# Allegro board RK_NVR_DEMO1_RK3588_LP4XD200P232SD8_V21_20211228_final_lint.brd (continued)
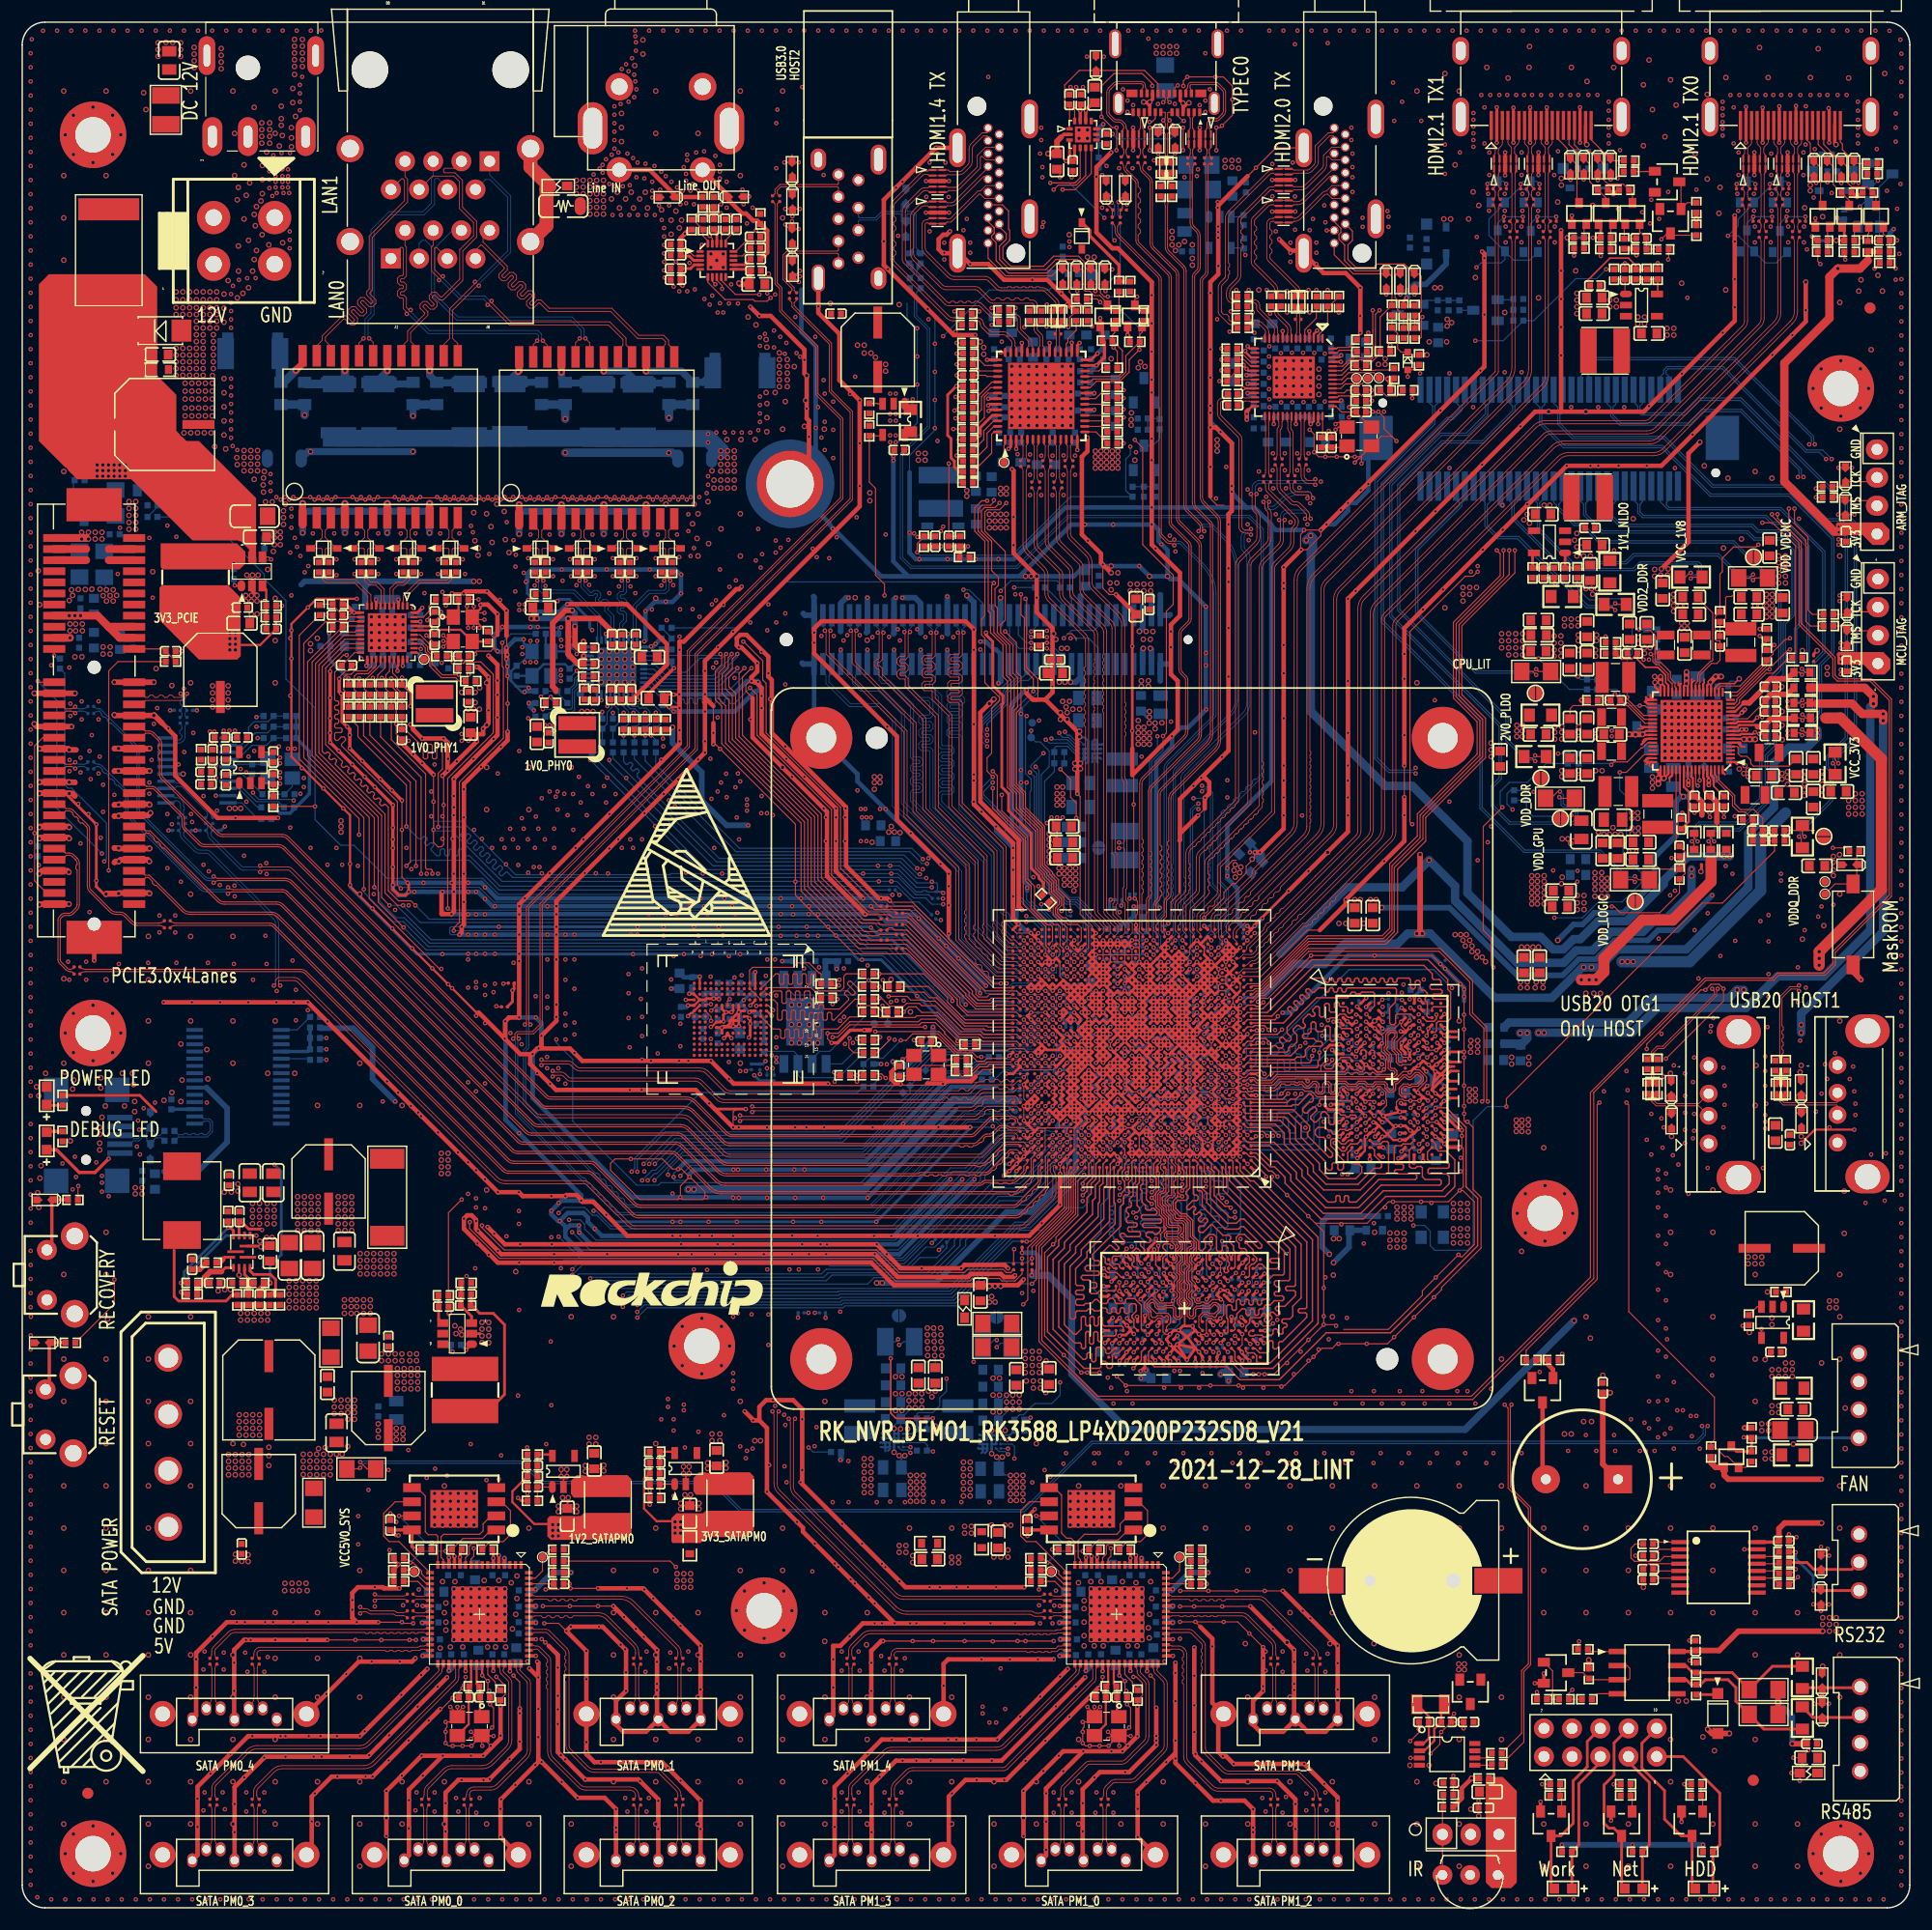
[diagram p0: board, top side]
## Routing (per net, layer and track width the routed paths; a pad name or vN(x,y) marks a point on that pad's centre or on a via; arc(x,y) is an arc through that point) (continued)
USB30_HOST2_SSTXN: length 11
  TOP w0.084: J2501.8 73.55,149.43 73.46,149.34 69.86,149.34 69.77,149.43 69.77,149.69 D2508.1 69.39,149.43 69.3,149.34 68.91,149.34 68.55,148.99 68.55,146.77 69.35,145.97 69.35,145.79 C2509.2
USB30_HOST2_SSTXP: length 10.6
  TOP w0.084: 69.39,148.41 69.77,148.79 69.77,149.04 69.87,149.14 73.46,149.14 73.55,149.05 J2501.9 ; 69.39,148.41 69.39,149.05 69.31,149.14 68.99,149.14 68.76,148.9 68.76,146.85 69.56,146.05 69.56,145.79 C2510.2 ; 69.39,148.41 D2509.1
USB_HOST_PWREN_H_GPIO4_B0: length 169.8
  TOP w0.102: v1(156.71,52.18) U2502.4 ; U1000.AK26 v1(94.8,85.26) ; v1(77.7,118.31) 77.7,119.32 76.88,120.13 76.88,127.96 76.32,128.52 R2516.1 77.44,132.69 U2501.4 ; v1(94.46,89.86) 94.46,90.26 94.41,90.31 94.41,90.82 93.38,91.85 93.38,92.66 92.83,93.21 92.83,93.35 92.13,94.06 92.13,97.47 90.4,99.2 90.4,100.53 89.58,101.34 89.58,107.74 89.99,108.15 89.99,110.99 89.58,111.4 89.58,114.04 v1(88.57,115.05)
  L4-S1 w0.102: v1(159.99,81.63) 159.79,81.42 159.79,59.48 156.71,56.4 v1(156.71,52.18)
  L6-S2 w0.089: v1(94.8,85.26) 94.66,85.4 94.66,85.57 94.46,85.77 94.46,88.96
  L6-S2 w0.102: 94.46,88.96 v1(94.46,89.86) 94.46,90.47 102.11,98.11 125.42,98.11 130.02,93.51 132.36,93.51 135.81,90.06 136.73,90.06 137.95,88.84 139.37,88.84 140.08,88.13 141.81,88.13 142.21,87.72 144.04,87.72 149.73,82.03 156.94,82.03 157.35,81.63 v1(159.99,81.63) ; v1(77.7,118.31) 78,118.61 84.1,118.61 84.91,117.8 86.23,117.8 87.25,116.78 87.25,116.37 v1(88.57,115.05)
USB_OTG_PWREN_H_GPIO4_A7: length 94.7
  TOP w0.102: U1000.AM27 94.16,87.22 94.16,88.33 93.85,88.64 93.75,88.64 92.89,89.5 92.89,90.21 93.24,90.57 93.24,90.77 92.53,91.48 92.53,92.3 91.92,92.91 91.92,93.12 91.31,93.72 91.31,97.07 89.28,99.1 89.28,100.49 88.77,101 88.77,110.58 88.36,110.99 88.36,113.83 87.25,114.95 87.25,116.68 87.04,116.88 87.04,123.18 86.13,124.1 86.13,126.08 86.49,126.43 87.25,126.43 87.55,126.74 v1(87.55,126.89)
  L4-S1 w0.102: v1(107.57,127.04) 104.32,130.29 104.32,139.13 108.07,142.89 108.07,144.52 108.89,145.33 108.89,146.04 109.24,146.4 109.95,146.4 110.21,146.65 v1(110.21,148.99)
  L6-S2 w0.102: v1(87.55,126.89) 87.55,127.96 88.03,128.44 88.9,128.44 89.41,127.93 96.31,127.93 96.7,127.55 107.06,127.55 v1(107.57,127.04)
  BOTTOM w0.102: v1(110.21,148.99) 110.08,149.12 R2510.1 110.03,149.63 U2500.4
USBCC_INT_L_GPIO1_A0: length 263.6
  TOP w0.089: 95.77,66.74 U1000.A24
  TOP w0.102: v1(157.66,125.62) 157.66,125.49 160.09,123.05 160.09,115.66 163.14,112.62 163.14,110.99 163.55,110.58 166.49,110.58 168.22,108.86 168.22,91.28 163.14,86.2 163.14,85.08 162.33,84.27 158.16,84.27 157.71,83.82 151.61,83.82 141.3,73.5 141.3,56.84 130.58,46.12 96.9,46.12 91.87,51.15 91.87,59.5 94.92,62.55 94.92,65.88 95.77,66.74 ; v1(92.63,155.49) 94.87,155.49 95.33,155.95 U2503.5
  L4-S1 w0.102: v1(97.51,152.34) 97.51,150.31 98.83,148.99 98.83,140.94 99.64,140.12 99.64,137.71 101.06,136.29 101.06,133.75 99.87,132.55 99.87,132.2 100.35,131.72 v1(100.35,131.21)
  L6-S2 w0.102: v1(100.35,131.21) 101.88,131.21 102.79,130.29 109.7,130.29 111.48,128.52 115.64,128.52 122.2,121.96 136.01,121.96 140.49,126.43 156.84,126.43 v1(157.66,125.62)
  BOTTOM w0.102: v1(92.63,155.49) 94.36,155.49 v1(97.51,152.34)
VSEL2: length 92
  TOP w0.102: v1(90.9,76.16) 91.22,75.84 U1000.R31
  L4-S1 w0.102: v1(59.61,45.36) 59.61,45.66 57.17,48.1 57.17,65.37 v1(56.97,65.57)
  L6-S2 w0.102: v1(88.82,41.39) 88.31,41.9 79.17,41.9 78.59,42.49 70,42.49 69.57,42.92 65.81,42.92 63.37,45.36 v1(59.61,45.36)
  BOTTOM w0.089: 88.47,76.04 88.97,76.04 89.39,75.62 90.17,75.62 90.71,76.16 v1(90.9,76.16)
  BOTTOM w0.102: 88.47,76.04 85.95,76.04 85.34,75.43 83.08,75.43 75.77,68.11 59.51,68.11 v1(56.97,65.57) ; U2200.A1 88.81,41.4 v1(88.82,41.39)
VSEL3: length 60.1
  TOP w0.089: 88.47,77.28 88.79,77.28 88.97,77.46 90.25,77.46 U1000.U32
  TOP w0.102: 88.47,77.28 84.3,77.28 82.6,78.99 v1(76.86,78.99)
  L4-S1 w0.102: v1(75.26,100.73) 75.26,100.47 75.16,100.37 75.16,82.14 75.97,81.32 75.97,79.8 76.78,78.99 v1(76.86,78.99)
  L6-S2 w0.102: v1(75.26,100.73) 75.26,101.34 76.78,102.86 78.86,102.86 79.88,103.88 89.58,103.88 90.8,105.1 91.41,105.1 92.23,105.91 v1(93.44,105.91)
  BOTTOM w0.102: U2202.A1 94.93,104.86 94.28,105.5 93.75,105.5 93.44,105.81 v1(93.44,105.91)
VSEL4: length 2.9
  TOP w0.102: v1(90.25,76.81) U1000.T32
  BOTTOM w0.089: v1(90.25,76.81) 90.08,76.81 89.84,76.57 89.82,76.57 89.73,76.49 88.69,76.49 88.48,76.7 88.47,76.7
  BOTTOM w0.102: R1109.1 88.47,76.7
VSEL5: length 12.3
  TOP w0.102: v1(92.2,76.81) U1000.T30
  BOTTOM w0.089: 88.47,77.39 89.41,77.39 89.58,77.21 90.96,77.21 91.03,77.14 91.68,77.14 92.01,76.81 v1(92.2,76.81)
  BOTTOM w0.102: 88.47,77.39 85.19,77.39 84.71,76.9 82.8,76.9 R1113.1
VSEL6: length 89.1
  TOP w0.089: U1000.W28 93.17,78.44
  TOP w0.102: 93.17,78.44 v1(92.85,78.76)
  L4-S1 w0.102: v1(55.99,67.06) 57.38,65.68 57.38,64.76 57.48,64.66 57.48,48.2 60.02,45.66 60.02,45.25 v1(59.61,44.85)
  L6-S2 w0.102: v1(80.03,41.52) 79.17,41.52 78.46,42.23 69.85,42.23 69.37,42.71 65.61,42.71 63.47,44.85 v1(59.61,44.85)
  BOTTOM w0.089: v1(92.85,78.76) 92.66,78.76 92.34,78.44 91.41,78.44 91.22,78.25 91.22,78.09 91.22,78.08 91.22,77.98 90.84,77.6 89.84,77.6 89.54,77.89 88.47,77.89
  BOTTOM w0.102: v1(55.99,67.06) 58.57,69.64 73.67,69.64 79.05,75.02 79.83,75.02 82.22,77.41 84.45,77.41 84.94,77.89 88.47,77.89 ; v1(80.03,41.52) 80.02,41.53 U2201.A1
XIN24M: length 11.6
  TOP w0.089: U1000.R34 89.07,76.04 88.47,76.04
  TOP w0.102: 88.47,76.04 87.17,76.04 86.95,75.81 86.28,75.81 85.39,74.92 84.69,74.92 R1101.2 83.67,75.94 81.15,75.94 Y1100.3 80.2,74.98 C1102.1
XOUT24M: length 5.6
  TOP w0.089: U1000.T34 89.03,76.24 88.47,76.24
  TOP w0.102: 88.47,76.24 86.96,76.24 86.79,76.07 86.23,76.07 85.6,75.43 R1101.1 R1100.2
N14549718: length 2.6
  TOP w0.254: R5007.1 165.71,154.61 v1(165.32,154.22) 164.93,154.61 R5001.1
  BOTTOM w0.254: D5000.2 164.75,154.78 v1(165.32,154.22)
N14549722: length 2.3
  TOP w0.102: R5003.2 R5002.2 165.08,151.33 Q5000.2
N14550286: length 3.5
  TOP w0.102: R5008.2 R5006.2 C5003.2 167.68,150.89 Q5001.2
N15154665: length 5.4
  TOP w0.254: R2004.2 R2008.1 22.83,55.76 22.83,56.63 22.38,57.09 20.85,57.09 20.54,57.41 U2000.12
N15156181: length 1.5
  TOP w0.254: 18.07,58.46 18.26,58.65 U2000.8
  TOP w0.508: R2005.1 17.77,58.16 18.07,58.46
N15156236: length 1.5
  TOP w0.508: C2008.1 15.99,57.56 R2005.2
N15156243: length 10.3
  TOP w0.254: R2015.1 18.91,55.26 18.36,54.7 14.09,54.7 13.69,55.11 13.69,59.28
N15159881: length 10.8
  TOP w0.254: R2009.2 14.5,55.31 v1(14.3,55.52) ; U2000.3 v1(21.1,60.6)
  BOTTOM w0.254: v1(14.3,55.52) 14.5,55.52 14.96,55.97 14.96,57.19 18.36,60.6 v1(21.1,60.6)
N15164980: length 1.4
  TOP w0.254: LED2000.1 2.26,72.34 R2007.2
N15183032: length 1.7
  BOTTOM w0.084: R2518.1 80.95,148.19 L2501.2 80.71,147.69 80.54,147.52 80.54,147.31 R2519.2
N15183044: length 1.7
  BOTTOM w0.084: R2521.1 79.93,148.19 L2501.4 80.16,147.69 80.34,147.52 80.34,147.25 R2520.2
N15216631: length 3.4
  TOP w0.203: U8202.5 58.66,41.12 R8214.1 C8225.2 R8213.2
N15216635: length 2.6
  TOP w0.102: R8212.2 C8237.1 58.79,38.19 U8202.1
N15216687: length 3.4
  TOP w0.203: U8203.5 47.64,40.87 R8217.1 C8243.2 R8216.2
N15216691: length 2.6
  TOP w0.102: U8203.1 47.76,37.93 C8255.1 R8215.2
N15224188: length 3.9
  BOTTOM w0.102: U8400.5 19.17,102.86 19.4,103.08 C8419.1 21.68,103.08 Y8400.1
N15224212: length 2.8
  BOTTOM w0.102: R8414.1 C8420.1 24.33,101.08 Y8400.3
N15224434: length 3.9
  BOTTOM w0.102: U8400.6 19.82,102.21 R8414.2
N15224658: length 3.6
  BOTTOM w0.102: U8400.10 19.79,99.61 21.25,98.15 R8421.1
N15225736: length 1.1
  TOP w0.102: U8401.4 22.63,104.19 C8427.1
N15225932: length 2.2
  TOP w0.102: R8427.2 C8426.1 22.51,101.39 U8401.3
N15230520: length 4.3
  TOP w0.102: J9101.3 166.66,126.85 D9103.1 163.97,127.13 R9106.2
N15230524: length 4.3
  TOP w0.102: J9101.2 166.76,128.56 D9102.1 163.85,128.12 R9107.2
N15231634: length 4.4
  TOP w0.102: J9102.3 166.79,115.11 D9105.1 163.97,115.55 R9108.2
N15231638: length 4.3
  TOP w0.102: J9102.2 166.78,116.82 D9104.1 164.21,116.59 R9109.2
N15234556: length 6.2
  TOP w0.305: R9200.2 4.1,63.83 D9200.1 2.67,59.74 SW9200.1
N15542277: length 1
  TOP w0.089: U1000.G8 v1(106.5,70.31)
  BOTTOM w0.089: R1202.2 106.83,70.65 v1(106.5,70.31)
N15552314: length 5.8
  TOP w0.305: SW9201.1 2.44,47.07 D9201.1 3.88,50.95 R9201.2
N15763811: length 3.4
  TOP w0.254: U2001.5 136.09,122.01 R2013.1 C2021.2 R2012.2
N15763819: length 2.5
  TOP w0.254: U2001.1 139.02,122.13 C2025.1 R2011.2
N15889176: length 3.3
  TOP w0.152: C5120.2 R5132.2 R5133.1 147.37,145.54 U5101.5
N15889184: length 2.3
  TOP w0.102: R5131.2 C5134.1 144.42,145.56 U5101.1
N15892812: length 3.5
  BOTTOM w0.102: Q5100.1 126.49,144.9 C5108.2 R5126.2 R5128.1
N15892844: length 1.3
  BOTTOM w0.102: R5128.2 129.5,144.01 Q5101.3
N15892870: length 3.4
  BOTTOM w0.102: R5129.2 R5130.1 134.35,144.05 C5114.1 134.28,144.96 Q5101.1
N15896189: length 2.4
  TOP w0.102: R5115.1 C5104.1 119.23,131.64 Y5100.1
N15898679: length 1.6
  TOP w0.102: U5100.22 109.62,137.76 R5101.2
N15898906: length 1.8
  TOP w0.102: U5100.19 110.68,138.96 110.09,139.55 R5107.1
N15898929: length 2.1
  TOP w0.102: R5102.1 110.67,139.36 U5100.18
N15942277: length 3.3
  TOP w0.102: U5100.5 115.57,142.26 116.61,143.3 R5113.1
N15950204: length 7.9
  TOP w0.254: v1(124.74,145.13) 124.46,144.85 R5123.1 R5125.1
  BOTTOM w0.508: v1(124.74,145.13) 124.84,145.23 124.84,145.74 125.45,146.35 126.46,146.35 128.29,148.18 D5101.2
N15954648: length 2.3
  TOP w0.102: R5117.1 119.75,136.29 118.64,136.29 118.51,136.16 U5100.45
N15954657: length 3.5
  TOP w0.102: TP5102.1 120.72,137.37 119.21,137.37 118.81,136.96 U5100.47
N15954666: length 2.4
  TOP w0.102: TP5101.1 119.41,137.87 118.9,137.36 U5100.48
N15954675: length 4.6
  TOP w0.102: TP5100.1 121.79,138.38 119.52,138.38 118.9,137.76 U5100.49
N15998572: length 14.9
  TOP w0.102: U1000.F24 v1(96.1,69.66) ; R1917.1 v1(90.09,58.54)
  L6-S2 w0.089: v1(96.1,69.66) 95.91,69.66 95.58,69.34 95.15,69.34 94.73,68.92 94.73,66.65 94.38,66.31
  L6-S2 w0.102: 94.38,66.31 94.26,66.18 94.26,65.88 92.83,64.46 92.83,61.51 91.02,59.69 91.02,59.47 v1(90.09,58.54)
N15998576: length 15.3
  TOP w0.102: R1918.1 89.33,59.33 v1(89.38,59.38) ; v1(95.45,69.66) U1000.F25
  L6-S2 w0.089: 93.55,65.46 92.53,64.44 ; v1(95.45,69.66) 95.2,69.66 94.54,69 94.54,67 94.46,66.92 94.46,66.68
  L6-S2 w0.102: 92.53,64.44 92.53,61.61 90.5,59.58 89.89,59.58 89.69,59.38 v1(89.38,59.38) ; 94.46,66.68 94.05,66.27 94.05,65.96 93.55,65.46
N16138422: length 3.1
  TOP w0.254: R5013.1 142.98,154.86 v1(143.38,154.47) 143.77,154.86 R5019.1
  BOTTOM w0.254: D5003.2 142.81,155.04 v1(143.38,154.47)
N16170615: length 6.1
  TOP w0.102: TP1502.1 163.35,92.3 SW1500.1 165.3,92.63 D1500.1 165.3,95.02 R1514.2
N16183282: length 1.3
  TOP w0.084: R2508.2 102.92,155.51 arc(102.97,155.59) 102.99,155.69 102.99,155.82 arc(102.95,156.05) L2500.2
N16183296: length 1.3
  TOP w0.084: R2507.2 103.28,155.51 arc(103.22,155.59) 103.2,155.69 103.2,155.82 arc(103.24,156.05) L2500.4
N16185430: length 1.7
  TOP w0.084: R2525.1 146.44,74.57 146.53,74.66 146.71,74.66 146.8,74.74 146.8,75.24 R2524.2
N16185436: length 1.7
  TOP w0.084: R2523.2 147,75.24 147,74.74 147.09,74.66 147.27,74.66 147.36,74.57 R2522.1
N16185534: length 1.5
  TOP w0.084: R2531.1 158,74.36 158.36,74.71 158.36,75.11 R2530.2
N16185540: length 1.5
  TOP w0.084: R2527.1 158.91,74.36 158.56,74.71 158.56,75.11 R2528.2
N16213943: length 2.3
  TOP w0.102: Q5005.2 140.73,151.59 R5021.2 R5023.2
N16214662: length 2.3
  TOP w0.102: R5015.2 R5012.2 143.13,151.59 Q5003.2
N16214690: length 3.6
  TOP w0.102: Q5004.2 145.74,151.1 C5005.2 146.35,150.48 R5018.2 147.43,149.52 R5020.2
N16215512: length 2.3
  TOP w0.102: R5011.2 162.67,149.3 R5009.2 162.67,151.33 Q5002.2
N16223203: length 3.2
  BOTTOM w0.102: R4734.2 92.23,119.02 93.75,117.49 U4700.57
N16223207: length 2.6
  BOTTOM w0.102: R4736.2 94.4,118.15 94.55,118 U4700.59
N16223211: length 3.4
  TOP w0.102: R4735.1 91.86,114.04 v1(92.33,114.04)
  BOTTOM w0.102: U4700.58 93.75,112.82 92.53,114.04 v1(92.33,114.04)
N16380820: length 2.4
  TOP w0.102: R5534.1 96.75,133.04 U5500.15
N16380832: length 2.2
  TOP w0.102: R5535.1 97.27,133.54 U5500.16
N16380844: length 2
  TOP w0.102: U5500.17 97.75,134.04 R5536.1
N16380856: length 2.2
  TOP w0.102: U5500.18 97.24,134.54 R5537.1
N16380868: length 2.5
  TOP w0.102: R5541.1 96.71,136.04 U5500.21
N16380872: length 2.3
  TOP w0.102: U5500.20 97.22,135.54 R5539.1
N16380906: length 2.1
  TOP w0.102: U5500.1 88.57,131.92 88.47,131.82 TP5500.1
N16381471: length 5.7
  TOP w0.102: U5500.56 87.55,133.04 87.35,132.83 87.35,131.13 R5556.1 R5511.1
N16381480: length 4.3
  TOP w0.102: U5500.55 87.54,133.54 86.94,132.94 86.94,131.69 R5510.1
N16381489: length 3.8
  TOP w0.102: U5500.54 87.54,134.04 86.64,133.14 86.64,132.35 R5508.1
N16382688: length 3.2
  TOP w0.102: U5500.31 94.07,140.98 94.22,141.13 94.22,141.45 94.97,142.2 R5531.1
N16383026: length 2.1
  TOP w0.102: R5538.1 97.31,138.83 97.02,138.54 U5500.26
N16397911: length 3.6
  TOP w0.254: R5554.1 84.5,121.8 R5553.2 ; R5553.2 v1(85.21,122.73) ; R5553.2 C5515.2
  BOTTOM w0.254: U5501.5 85.06,122.57 v1(85.21,122.73)
N16397919: length 2.9
  TOP w0.254: R5552.2 C5531.1 v1(82.8,122.73)
  BOTTOM w0.254: U5501.1 82.62,122.57 82.78,122.73 v1(82.8,122.73)
N16398461: length 3.8
  BOTTOM w0.102: Q5500.1 102.49,135.22 R5546.1 102.43,134.26 R5545.2 C5504.2
N16398493: length 2.6
  BOTTOM w0.102: Q5503.3 101.86,131.8 102.49,132.43 R5546.2
N16398519: length 3.6
  BOTTOM w0.102: Q5503.1 102.01,128.17 R5551.1 C5512.1 R5549.2
N16404713: length 7.7
  TOP w0.305: R5548.1 R5543.1 98.83,148.07 96.19,150.72 96.19,151.2 D5501.2
N16955658: length 14.4
  TOP w0.254: v1(155.12,42.41) 155.78,42.41 R9905.2 R9902.2 154.47,41.13 Q9501.3
  BOTTOM w0.254: v1(155.12,42.41) 155.32,42.41 155.37,42.36 U9900.4
N17187562: length 1.2
  BOTTOM w0.102: R2511.1 109.9,152.43 U2500.3
N17187928: length 1.5
  TOP w0.102: R2532.1 156.33,54.18 U2502.3
N17193768: length 4
  TOP w0.102: R1701.2 v1(158.97,152.44) ; R1700.2 v1(160.67,152.44)
  BOTTOM w0.102: v1(160.67,152.44) v1(158.97,152.44) 158.37,151.84 Q1700.3
N17305163: length 3.4
  BOTTOM w0.102: Q8400.1 4.62,128.59 C8430.2 R8428.2 4.72,130.69 R8432.1
N17305172: length 6
  BOTTOM w0.102: Q8401.3 10.61,130.69 R8432.2
N17305178: length 2.8
  BOTTOM w0.102: R8434.2 12.19,126.28 R8435.1 12.19,127.7 Q8401.1
N17305199: length 2.7
  TOP w0.102: v1(22.43,121.56) 22.21,121.77 U8402.4
  BOTTOM w0.102: v1(22.43,121.56) 22.32,121.45 R8429.2 21.82,121.51 R8431.1
N17305210: length 0.5
  BOTTOM w0.203: C8428.2 v1(19.07,121.21)
N17305211: length 1.2
  TOP w0.203: U8402.1 19.18,119.17 v1(19.15,119.21)
  BOTTOM w0.203: v1(19.15,119.21) 19.07,119.28 C8428.1
N17305212: length 4
  TOP w0.203: U8402.3 21.99,118.83 R8433.1 R8430.2 C8434.2
N17373501: length 7.3
  TOP w0.102: IR9000.1 J9000.1 127.97,9.02 R9000.2 R9001.2
N17430508: length 2
  TOP w0.508: C2026.1 R2016.1 R2015.2
N17430572: length 3.6
  TOP w0.254: 20.39,56.48 20.39,56.74 20.04,57.09 U2000.11
  TOP w0.508: 20.39,56.33 R2016.2 ; 20.39,56.33 20.39,56.48 ; 20.39,56.33 R2017.2 ; 20.39,56.33 R2018.1
N17433473: length 5.6
  TOP w0.254: 17.96,57.35 18.31,57.7 U2000.9
  TOP w0.508: 16.43,56.33 16.43,56.84 16.94,57.35 17.96,57.35 ; 16.43,56.33 C2019.1 ; 16.43,56.33 R2019.1 R2009.1
N17433988: length 8.9
  TOP w0.254: R2019.2 v1(14.3,56.33) ; R2020.1 v1(18.57,61.31) 18.77,61.31 19.04,61.04 U2000.6
  BOTTOM w0.254: v1(14.3,56.33) 14.6,56.63 14.6,57.35 v1(18.57,61.31)
N17435178: length 2.7
  TOP w0.254: R2021.2 37.51,54.21 C2030.1 37.52,53.08 U2002.4
N17435180: length 0.7
  BOTTOM w0.254: C2029.2 38.64,50.28 v1(38.78,50.13)
N17435182: length 1.4
  TOP w0.254: v1(39.98,50.28) 39.98,50.3 U2002.1
  BOTTOM w0.254: C2029.1 39.96,50.32 39.96,50.3 v1(39.98,50.28)
N17435196: length 4
  TOP w0.254: R2023.1 C2031.2 39.52,55.28 R2022.2 40.49,53.32 U2002.3
N17657144: length 4.3
  TOP w0.102: R5137.1 R5139.1 123.92,141.92 123.92,140.56 124.24,140.24 D5102.2
N17758514: length 3.1
  BOTTOM w0.203: 77.75,43.1 77.77,43.08 U2201.E4 ; 77.44,42.79 77.5,42.73 U2201.E4 ; U2201.D4 78.17,42.88 77.95,43.1 ; U2201.D4 U2201.E4 ; U2201.D4 U2201.D3 U2201.E3 ; U2201.E3 77.5,42.33 77.44,42.38 ; U2201.E3 U2201.E4
N17758921: length 3.1
  BOTTOM w0.203: U2200.E4 U2200.E3 ; U2200.E4 U2200.D4 ; U2200.E4 86.55,42.95 86.54,42.97 ; U2200.E4 86.29,42.6 86.23,42.66 ; U2200.E3 86.29,42.2 86.23,42.26 ; U2200.E3 U2200.D3 U2200.D4 ; U2200.D4 86.95,42.75 86.74,42.97
N17759951: length 3.2
  BOTTOM w0.203: 97.2,103.57 97.12,103.66 U2202.E4 ; U2202.D4 U2202.E4 ; U2202.D4 U2202.D3 U2202.E3 ; U2202.D4 96.43,103.31 96.39,103.27 ; U2202.E4 U2202.E3 ; U2202.E4 96.83,103.34 96.9,103.27 ; U2202.E3 97.18,104.06 97.2,104.08
N17813379: length 2.4
  TOP w0.102: Q5001.1 166.38,150.95 166.29,150.86 R5025.2 167.31,150.25 C5003.1
N17814519: length 2.5
  TOP w0.102: C5005.1 145.36,150.45 R5026.2 144.35,151.7 Q5004.1
N17849645: length 5.4
  TOP w0.203: U2203.2 126.33,14.16 127.23,15.05 127.23,16.12 C2229.1 127.86,18.05 Y2200.1
N17849647: length 4.6
  TOP w0.203: Y2200.2 126.74,17.26 C2227.1 126.74,15.28 126.27,14.81 U2203.1
N17951577: length 2
  TOP w0.254: D9502.2 152.68,19.22 R9501.1
N18040869: length 1.2
  BOTTOM w0.102: TP6700.1 50.89,110.05 U6701.31
N18070280: length 2.6
  TOP w0.102: R5004.1 167.15,157.23 R5027.1 167.15,155.75 v1(167.21,155.69)
  BOTTOM w0.102: v1(167.21,155.69) 166.87,155.35 Q5007.1
N18070705: length 6.5
  BOTTOM w0.102: Q5007.3 167.34,155.14 Q5006.1 167.34,150.33 R5005.2
N18073020: length 2.9
  TOP w0.102: Q5009.1 147.07,156.51 R5028.1 145.2,157.48 R5016.1
N18073062: length 4.1
  TOP w0.102: R5017.2 150.03,153.71 Q5008.1 149.46,155.44 Q5009.3
N18076942: length 1.2
  TOP w0.102: TP6800.1 35.59,113.15 U6801.31
N18256405: length 1.2
  TOP w0.102: U2501.3 77.09,135.58 77.04,135.62 R2517.1
N18723455: length 13.1
  TOP w0.254: R9503.1 157.71,21.77 R9505.1 154.07,21.2 R9508.1 150.52,21.2 149.88,21.83 U9500.7
N18723469: length 14.2
  TOP w0.254: R9504.1 156.93,16.11 R9506.1 154.4,18.63 154.4,19.85 153.69,20.57 151.66,20.57 151.22,20.12 R9501.2 150.38,20.12 149.94,20.56 U9500.6
N19738883: length 2.7
  TOP w0.102: R1703.2 v1(154.47,155.38) ; R1702.2 v1(156.17,155.38)
  BOTTOM w0.102: v1(156.17,155.38) 155.92,155.63 Q1701.3 154.72,155.63 v1(154.47,155.38)
N19738907: length 4
  TOP w0.102: v1(155.97,152.44) R1705.2 ; R1704.2 v1(157.67,152.44)
  BOTTOM w0.102: v1(157.67,152.44) v1(155.97,152.44) 155.4,151.87 Q1702.3
N19738939: length 2.8
  TOP w0.102: R1706.2 v1(159.17,155.39) ; R1707.2 v1(157.47,155.39)
  BOTTOM w0.102: v1(159.17,155.39) 159.16,155.39 158.92,155.63 Q1703.3 157.72,155.63 157.48,155.39 v1(157.47,155.39)
N20545932: length 4
  TOP w0.102: R1710.2 136.52,152.04 v1(136.52,152.44) ; R1709.2 v1(138.21,152.44)
  BOTTOM w0.102: v1(138.21,152.44) v1(136.52,152.44) 135.92,151.84 Q1704.3
N20545988: length 2.8
  TOP w0.102: R1712.2 v1(132.02,155.39) ; R1711.2 v1(133.71,155.39)
  BOTTOM w0.102: v1(133.71,155.39) 133.47,155.63 Q1705.3 132.26,155.63 v1(132.02,155.39)
N20545992: length 4
  TOP w0.102: R1714.2 v1(133.52,152.44) ; v1(135.21,152.44) 135.21,152.43 R1713.2
  BOTTOM w0.102: v1(135.21,152.44) v1(133.52,152.44) 132.95,151.87 Q1706.3
N20546000: length 2.7
  TOP w0.102: R1716.2 v1(135.02,155.38) ; R1715.2 v1(136.71,155.38)
  BOTTOM w0.102: v1(135.02,155.38) 135.26,155.63 Q1707.3 136.47,155.63 v1(136.71,155.38)
N21016906: length 3.3
  TOP w0.102: R1100.1 82.95,76.45 Y1100.1 81.91,77.49 C1101.1
N21604892: length 2.5
  TOP w0.102: Q9001.1 151.41,9.99 R9010.1 R9007.2
N21604980: length 2.5
  TOP w0.102: Q9002.1 145.06,9.99 R9011.1 R9008.2
N21605068: length 2.5
  TOP w0.102: R9006.2 R9009.1 138.71,9.99 Q9000.1
N21605777: length 2.9
  TOP w0.406: R7005.2 R7006.1 137.53,48.92 137.93,48.52 Q7000.1
N21605860: length 7.1
  TOP w0.406: BP7000.2 136.98,38.93 Q7000.3
N21607391: length 1.7
  TOP w0.254: U7000.12 65.11,148.11 C7005.1
N21607575: length 1.8
  TOP w0.102: C7004.1 64.9,148.91 U7000.14
N21607578: length 2.1
  TOP w0.102: U7000.15 64.28,149.31 C7003.1
N21607622: length 1.7
  TOP w0.102: C7002.1 63.38,150.33 U7000.16
N21607655: length 1.4
  TOP w0.254: C7000.1 62.58,151.05 U7000.18
N21607662: length 1.5
  TOP w0.102: U7000.17 62.98,150.95 C7001.1
N21615493: length 2.7
  TOP w0.102: R9502.2 141.27,23.1 U9500.1
N21615495: length 2.5
  TOP w0.102: R9507.2 141.92,19.29 U9500.4
N21615510: length 8
  TOP w0.102: U9500.2 144.6,21.83 144.85,21.58 144.85,20.67 144.75,20.56 U9500.3 141.26,20.56 R9500.2 140.63,21.19 Q9500.3
N21615528: length 5
  TOP w0.102: Q9500.1 137.89,21.35 137.89,19.32 R9510.1 R9509.2
N21615703: length 7.8
  TOP w0.508: R9506.2 v2(158.2,18.53) R9505.2 ; C9501.1 v2(159.48,14.79)
  BOTTOM w0.508: v2(158.2,18.53) 159.48,17.25 v2(159.48,14.79)
N21617958: length 2.5
  TOP w0.102: C9503.2 147.12,32.97 U9501.1
N21617961: length 6.9
  TOP w0.102: C9503.1 145.34,32.8 144.96,32.42 144.96,31.54 145.26,31.23 147.52,31.23 147.95,31.67 U9501.3
N21617992: length 2.7
  TOP w0.102: U9501.2 147.52,32.32 C9504.2
N21618021: length 3.5
  TOP w0.102: C9506.2 146.54,31.02 U9501.4
N21618024: length 2.5
  TOP w0.102: C9506.1 147.13,30.37 U9501.5
N21618065: length 2.5
  TOP w0.102: U9501.6 147.09,29.72 C9507.2
N21619259: length 2.2
  TOP w0.102: U9501.14 157.86,31.67 R9511.1
N21619262: length 2
  TOP w0.102: R9512.1 158.18,31.02 U9501.13
N21706207: length 2.1
  TOP w0.102: U9501.12 158.08,30.37 R9513.1
N21706210: length 2.2
  TOP w0.102: R9514.1 157.76,29.72 U9501.11
N21706664: length 5.3
  TOP w0.254: J9500.1 165.52,19.84 ED9501.1 160.47,19.84 R9503.2
N21706689: length 5.7
  TOP w0.254: J9500.2 165.37,17.15 ED9500.1 161.36,17.15 R9504.2
N21724674: length 18.9
  TOP w0.635: U6700.1 v2(44.78,126.48) ; U6700.7 v2(52.41,126.48) ; U6700.10 v2(56.22,126.48) ; U6700.4 v2(48.59,126.48)
  BOTTOM w0.635: v2(52.41,126.48) 52.4,126.47 C6705.1 ; C6705.1 C6704.1 56.21,126.47 v2(56.22,126.48) ; C6705.1 C6703.1 ; C6703.1 v2(48.59,126.48) ; C6703.1 C6702.1 v2(44.78,126.48)
N21725684: length 23.3
  L6-S2 w0.762: v2(58.27,131.16) 58.27,134.31 v2(58.28,134.32) ; v2(48.93,131.17) v2(48.93,134.22)
  BOTTOM w0.762: C6707.1 58.57,131.16 v2(58.27,131.16) 58.25,131.17 v2(48.93,131.17) ; R6713.2 R6712.2 v2(48.93,134.22) ; R6710.2 R6711.2 v2(58.28,134.32)
N21738710: length 19.4
  TOP w0.635: U6800.10 v2(36.71,126.59) ; U6800.1 v2(25.27,126.59) ; U6800.4 v2(29.08,126.59) ; U6800.7 v2(32.9,126.59)
  BOTTOM w0.635: v2(29.08,126.59) C6803.1 ; C6803.1 C6802.1 v2(25.27,126.59) ; C6803.1 C6804.1 ; v2(36.71,126.59) 36.7,126.58 C6805.1 C6804.1 ; v2(32.9,126.59) 32.89,126.58 C6804.1
N21738826: length 23.3
  L6-S2 w0.635: v2(25.98,131.27) 25.45,131.8 v2(25.45,134.56) ; v2(35.21,134.49) v2(35.21,131.27)
  BOTTOM w0.635: C6807.1 25.76,131.27 v2(25.98,131.27) v2(35.21,131.27) ; R6811.2 v2(35.21,134.49)
  BOTTOM w0.762: R6810.2 R6811.2 ; v2(25.45,134.56) R6812.2 R6813.2
N21750647: length 36.3
  TOP w1.27: J6700.3 45.8,156.92 FB6700.2 47.24,154.94 C6708.1 47.24,151.64 J6700.1
  L4-S1 w2.032: J6700.3 43.5,160.88 31.84,160.88 J6700.4 J6700.2
N22236399: length 4.6
  BOTTOM w0.305: R9102.2 C9100.1 C9101.1 25.73,77.19 U9100.4
N22236619: length 1.4
  TOP w0.305: R9103.1 2.26,69.99 LED9100.2
N22236693: length 3.1
  BOTTOM w0.102: R9100.2 24.77,79.14 U9100.1
N22236695: length 2.6
  BOTTOM w0.102: U9100.5 25.84,76.54 R9101.2
N23213062: length 1
  TOP w0.089: U1000.F18 99.67,69.99 v1(99.35,69.66)
  BOTTOM w0.089: v1(99.35,69.66) 99.53,69.84 R1203.1
N24141374: length 1.6
  TOP w0.119: U1000.H7 106.82,70.64 v1(107.15,70.31)
  BOTTOM w0.089: v1(107.15,70.31) 107.47,70.63 R1201.1
N63228233: length 1
  TOP w0.102: U3801.T2 101.8,57.67 101.48,57.99 v1(101.48,58)
  BOTTOM w0.102: R3817.1 101.73,58.25 v1(101.48,58)
N63228239: length 1.1
  TOP w0.102: v1(107.25,58.04) U3801.G2
  BOTTOM w0.102: R3816.2 107.52,58.31 v1(107.25,58.04)
N63228245: length 1.3
  TOP w0.102: U3801.A5 v1(111.88,55.56)
  BOTTOM w0.102: v1(111.88,55.56) 112.31,55.13 R3818.2
N63228247: length 2
  TOP w0.102: v1(112.7,52.67) 112.67,52.67 112.44,52.44 111.81,52.44 111.55,52.7 U3801.A8
  BOTTOM w0.102: v1(112.7,52.67) 112.21,52.67 R3819.2
N63380732: length 1
  TOP w0.102: U3800.T2 v1(119.49,72.12)
  BOTTOM w0.102: R3807.1 119.36,72.26 v1(119.49,72.12)
N63380738: length 0.9
  TOP w0.102: U3800.G2 v1(119.54,77.35)
  BOTTOM w0.102: v1(119.54,77.35) 119.52,77.34 R3806.2
N63380744: length 1
  TOP w0.102: 122.22,81.54 v1(122.55,81.86)
  BOTTOM w0.102: v1(122.55,81.86) 122.59,81.9 R3809.2
N63380746: length 0.9
  TOP w0.102: U3800.A8 v1(124.32,81.84)
  BOTTOM w0.102: R3810.2 124.26,81.9 v1(124.32,81.84)
N65887084: length 1
  TOP w0.254: U1000.W8 v1(106.5,78.11)
  BOTTOM w0.254: v1(106.5,78.11) 106.5,77.72 R1200.2

## Copper pours and planes (outline as drawn; the poured copper is in the pictures)
GND on L6-S2 (solid shape): 95.61,17.43 95.62,17.37 95.57,17.34 95.11,17.34 94.68,16.91 89.16,16.91 88.72,17.34 88.7,17.45 88.8,17.52 95.52,17.52
